# Altium PCB PCB.PcbDoc (part 2 of 2)
Units mm, origin at the board's own origin, x right, y up, seen from the top; angles counter-clockwise.
Board outline 50 x 63.5 mm, 2 copper layers (Top Layer, Bottom Layer), stack 1.509 mm thick; 102 components, 51 nets, 270 pads, 67 vias.
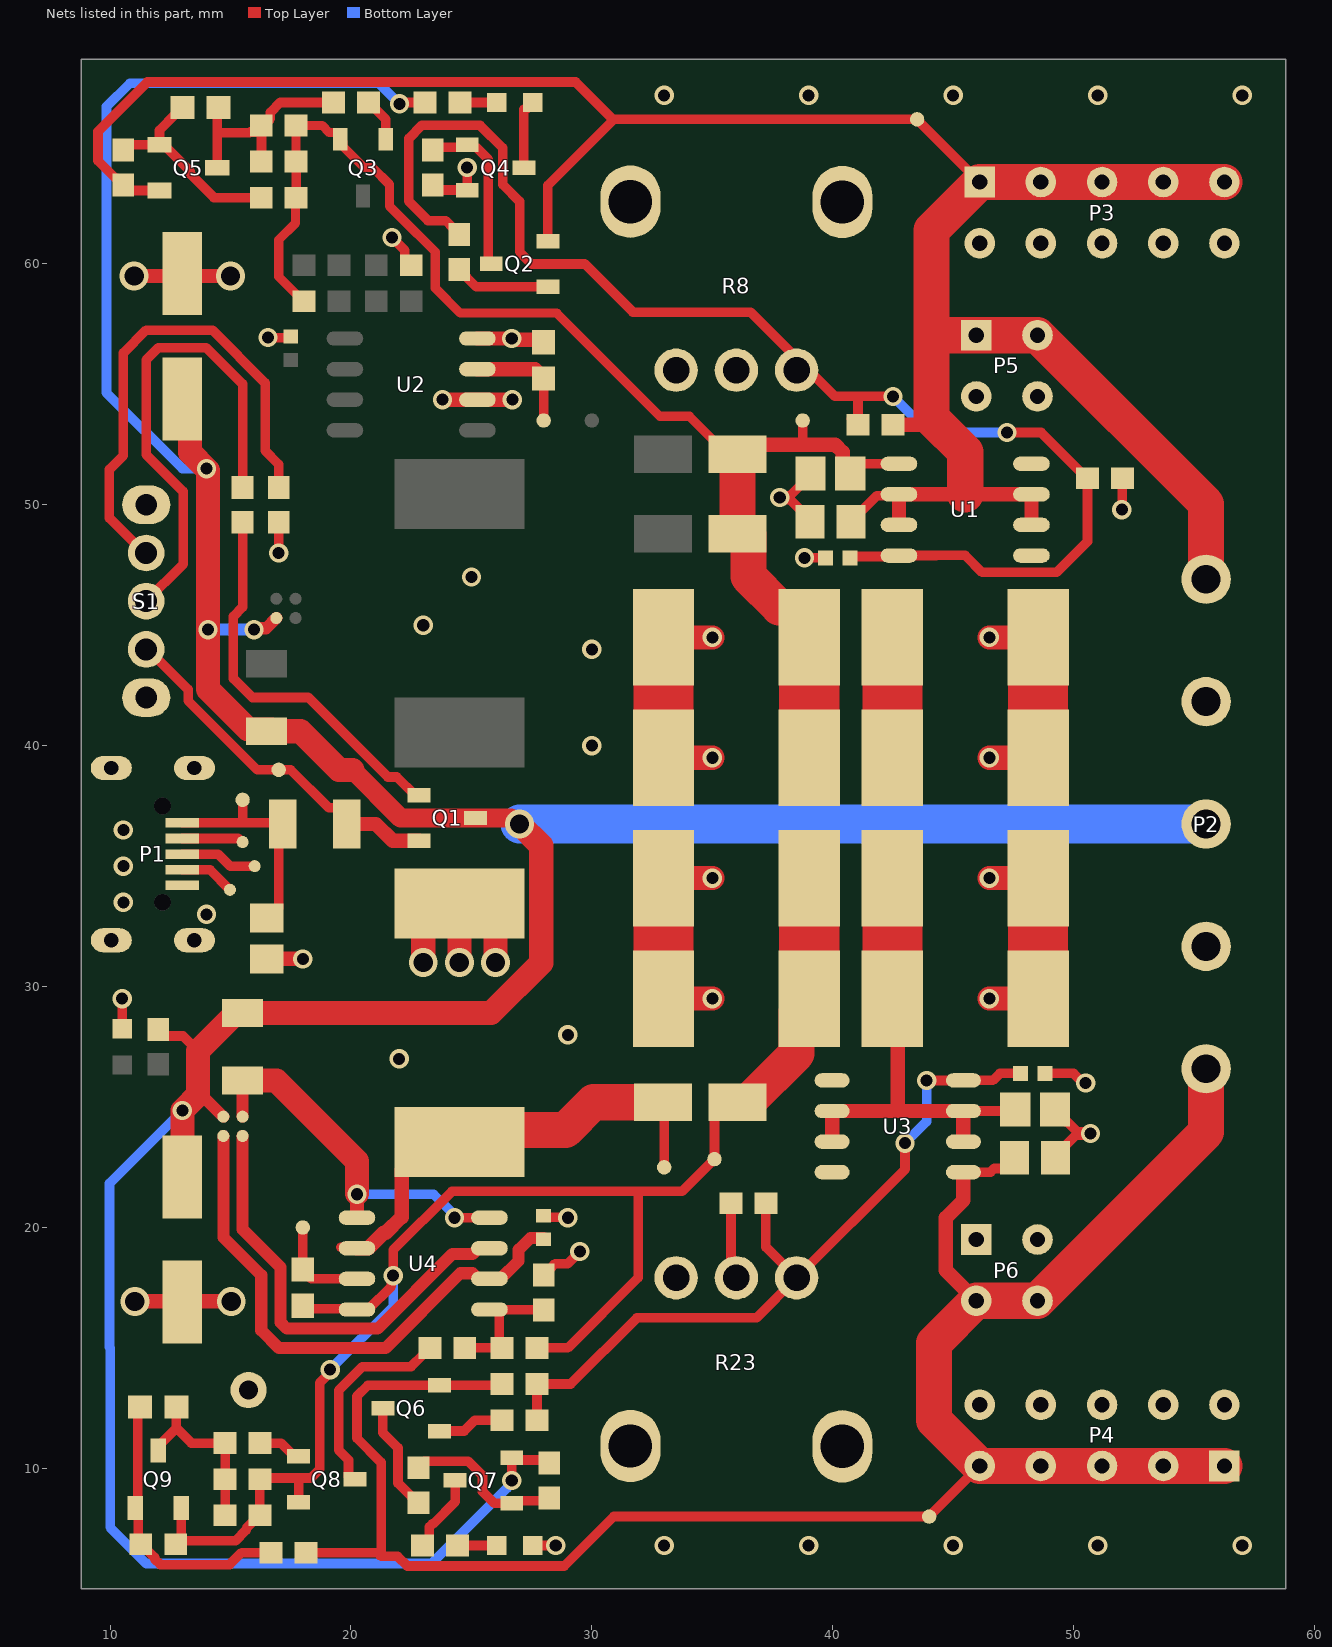
[diagram p2: the nets of this part, all layers, seen from the top]

## Via types
v1: diameter 0.8, hole 0.5, Top Layer to Bottom Layer, tented both sides, 59 vias
v2: diameter 1.2, hole 0.8, Top Layer to Bottom Layer, tented both sides, 8 vias

## Nets (pads, with @x,y where several pads share a name; then routed paths per layer and width w, separated by ;. In a path a pad name is that pad's centre, name@x,y a point inside that pad or via, vN(x,y) a via of type N, cw(c..) or ccw(c..) an arc to the next point about the centre after c; other vN are vias at no path point) (continued)
GND: C1.2 C2.2 C3.2 C4.2 C5.2 C7.2 C8.2 C9.2 C11.2 C12.2 C13.2 C14.2 C15.2 C16.2 C17.2 C19.2 C22.1 C23.1 C24.1 C25.1 D1.K D6.K L2.1 P1.5 P1.6 P2.2 P2.4 P3.2 P3.4 P3.6 P3.8 P3.10 P4.2 P4.4 P4.6 P4.8 P4.10 P5.3 P5.4 P6.1 P6.2 Q4.2 R8.1 R8.2 R8.4 R8.5 R11.2 R14.1 R15.2 R23.2 R23.3 R23.4 R23.5 R24.2 R29.2 R33.1 S1.EH TP11.1 U2.2 U2.4 | length 86.5
  Top Layer w0.4: D1.K@10.5,28.25 v1(10.5,29.5) ; v1(16.554,56.946) 16.557,56.943 17.497,56.943 C8.2@17.5,56.94 ; v1(17,48) R33.1@17,49.275 ; v1(21.7,61.1) 22.23,60.57 22.23,60.2 22.48,59.95 R15.2@22.5,59.95 ; R14.1@23.4,63.275 23.606,63.069 24.806,63.069 24.825,63.089 v1(24.825,64) ; D6.K@27.55,6.8 v1(28.5,6.8) ; R29.2@28,18.025 28,18.05 28.25,18.3 28.275,18.3 28.475,18.5 29,18.5 v1(29.5,19) ; C17.2@28,20.44 28.018,20.422 28.982,20.422 v1(29,20.405) ; R24.2@35.775,21 35.775,18.138 R23.2@36,17.913 ; v1(38.83,47.8) C7.2@39.71,47.8 ; C5.2@39.05,49.2 C5.2@39.05,49.3 39.05,49.4 38.227,50.223 37.877,50.223 v1(37.8,50.3) 37.877,50.377 38.227,50.377 39.075,51.225 C4.2@39.075,51.3 ; C19.2@48.79,26.4 49.992,26.4 50.392,26 v1(50.5,26) ; C16.2@49.225,24.9 49.225,24.825 49.65,24.4 49.725,24.4 50.148,23.977 50.623,23.977 v1(50.7,23.9) 50.623,23.823 50.073,23.823 49.25,23 C15.2@49.25,22.9 ; v1(52,49.8) 52.012,49.812 52.012,51.088 R11.2@52.025,51.1
  Top Layer w0.6: v2(11,59.5) 12.941,59.5 C3.2@13.001,59.44 ; v2(11.029,16.93) C2.2@12.97,16.93 ; C3.2@13,59.6 13.1,59.5 v2(15,59.5) ; C2.2@13.129,16.93 v2(15.029,16.93) ; C1.2@16.5,31.15 v1(18,31.15) ; v1(23.8,54.365) U2.2@25.25,54.365 v1(26.7,54.365) ; U2.4@25.25,56.905 26.67,56.905 26.713,56.862 27.888,56.862 C9.2@28,56.75
  Top Layer w1: v2(23,31) 23,32.5 23.95,33.45 L2.1@24.5,33.45 ; v2(24.5,31) L2.1@24.5,33.45 ; v2(26,31) 26,32.5 25.05,33.45 L2.1@24.5,33.45 ; C25.1@32.975,29.5 v1(35,29.5) ; C24.1@32.975,34.5 v1(35,34.5) ; C11.2@32.975,39.5 v1(35,39.5) ; C12.2@32.975,44.5 v1(35,44.5) ; v1(46.5,29.5) C22.1@48.525,29.5 ; v1(46.5,34.5) C23.1@48.525,34.5 ; v1(46.5,39.5) C14.2@48.525,39.5 ; v1(46.5,44.5) C13.2@48.525,44.5
  Top Layer w2.5: C25.1@32.975,29.5 C24.1@32.975,34.5 ; C11.2@32.975,39.5 C12.2@32.975,44.5 ; C22.1@48.525,29.5 C23.1@48.525,34.5 ; C14.2@48.525,39.5 C13.2@48.525,44.5
  other v1: 33,6.8 39,6.8 45,6.8 51,6.8 57,6.8 22,27 29,28 14,33 10.55,33.5 10.55,35 10.55,36.5 30,40 30,44 23,45 25,47 26.675,56.9 33,67 39,67 45,67 51,67 57,67
INV_FB: R28.1 R29.1 R31.2 U4.5 | length 5.4
  Top Layer w0.4: R31.2@24.725,15 R28.1@26.275,15 26.149,15.126 26.149,16.547 26.101,16.595 U4.5@25.75,16.595 ; U4.5@26.149,16.585 27.99,16.585 R29.1@28,16.575
INV_SENCE: R20.1 U4.1 U4.8 XW3.2 | length 15.9
  Top Layer w0.4: v1(24.3,20.405) U4.8@25.75,20.405
  Top Layer w0.5: XW3.2@15.5,24.6 R20.1@15.5,26.1
  Top Layer w0.6: U4.1@20.25,20.405 v1(20.25,21.38) v1@20.25,21.405
  Top Layer w1: R20.1@15.5,26.1 16.9,26.1 20.25,22.75 v1@20.25,21.405
  Bottom Layer w0.4: v1(20.25,21.38) 23.43,21.38 24.3,20.51 v1(24.3,20.405)
INV_SWITCH: D5.1 L2.2 TP9.1 U4.2 | length 19.8
  Top Layer w0.4: U4.2@19.577,19.173 20.212,19.173 U4.2@20.25,19.135 ; D5.1@32.95,25.2 33,25.15 TP9.1@33,22.5
  Top Layer w0.6: U4.2@20.25,19.135 20.71,19.135 21.36,19.785 21.45,19.785 22.1,20.434 22.1,22.4 23.25,23.55 L2.2@24.5,23.55
  Top Layer w1.5: L2.2@24.5,23.55 25,24.05 28.912,24.05 30.062,25.2 D5.1@32.95,25.2
INV_VCC_N: U4.7 XW3.1 | length 18.6
  Top Layer w0.5: XW3.1@15.5,23.8 15.5,19.925 17.075,18.35 17.075,16.064 17.339,15.8 19.5,15.8 21.109,15.8 24.209,18.9 25.05,18.9 25.285,19.135 U4.7@25.75,19.135
INV_VCC_P: C17.1 U4.6 XW4.1 | length 23.1
  Top Layer w0.5: XW4.1@14.7,23.8 14.7,19.593 16.275,18.018 16.275,15.732 17.007,15 19.169,15 21.44,15 24.54,18.1 25.05,18.1 25.285,17.865 U4.6@25.75,17.865 26.21,17.865 26.96,18.615 26.96,19.075 27.445,19.56 C17.1@28,19.56
LM317_NC_1: U1.5
LM317_NC_2: U1.8
LM337_NC_1: U3.5
LM337_NC_2: U3.8
NetC6_2: C6.2 C10.2 Q5.3 R10.2 R12.1 | length 9.5
  Top Layer w0.4: Q5.3@14.45,64 14.45,65.45 ; C10.2@14.5,66.5 14.45,66.45 14.45,65.625 14.45,65.45 ; R10.2@16.275,64.25 16.288,64.262 16.288,65.737 16.363,65.737 16.65,66.025 16.65,66.291 17.059,66.7 R12.1@19.275,66.7 ; C6.2@16.3,65.75 16.025,65.475 15.814,65.475 15.789,65.45 14.45,65.45
NetC9_1: C9.1 TP6.1 U2.3 | length 4.7
  Top Layer w0.4: TP6.1@28,53.5 C9.1@28,55.25
  Top Layer w0.6: U2.3@25.25,55.635 27.64,55.635 28,55.275 C9.1@28,55.25
NetC10_1: C10.1 Q5.1 R9.2 R16.1 | length 8.9
  Top Layer w0.4: Q5.1@12.225,64.95 13.33,63.845 13.33,63.73 14.309,62.75 R9.2@16.275,62.75 ; C10.1@13,66.5 12.975,66.5 12.7,66.225 12.7,66.2 12.05,65.55 Q5.1@12.05,64.95 R16.1@10.775,64.95 ; R16.1@10.775,64.95 R16.1@10.55,64.725 R16.1@10.775,64.95
NetC18_1: C18.1 TP10.1 U4.3 | length 4.2
  Top Layer w0.4: TP10.1@18,20 C18.1@18,18.25 18,18.225 18.36,17.865 U4.3@20.25,17.865
NetC20_2: C20.2 C21.2 Q9.3 R26.2 R30.1 | length 7.4
  Top Layer w0.4: Q9.3@12,10.75 12,10.925 12.125,11.05 12.129,11.05 12.752,11.673 ; C21.2@12.75,12.55 12.75,11.675 13.375,11.05 R30.1@14.775,11.05 ; R26.2@14.775,8.05 14.788,8.063 14.788,9.537 14.8,9.55 14.788,9.563 14.788,11.037 R30.1@14.8,11.05
NetC21_1: C21.1 Q9.1 R25.2 R32.1 | length 12
  Top Layer w0.4: C21.1@11.25,12.55 11.15,12.45 11.15,8.45 Q9.1@11.05,8.35 11.163,8.238 11.163,7.1 11.137,7.075 11.05,7.075 R32.1@11.275,6.85 ; R32.1@11.288,6.863 11.85,6.3 11.85,6.234 12.084,6 14.961,6 15.461,6.5 R25.2@16.675,6.5
NetD4_A: D4.A R6.1 | length 1.5
  Top Layer w0.4: R6.1@24.525,66.7 D4.A@26.05,66.7
NetD4_K: D4.K Q4.3 | length 2.9
  Top Layer w0.4: Q4.3@27.175,64 27.175,66.425 27.275,66.425 D4.K@27.55,66.7
NetD6_A: D6.A R27.2 | length 1.6
  Top Layer w0.4: R27.2@24.425,6.8 D6.A@26.05,6.8
NetQ2_1: Q2.1 R5.2 | length 4
  Top Layer w0.4: R5.2@24.5,59.775 24.5,59.75 25.2,59.05 Q2.1@28.175,59.05
NetQ2_3: Q2.3 Q4.1 R14.2 | length 7
  Top Layer w0.4: R14.2@23.4,64.725 23.525,64.85 24.725,64.85 Q4.1@24.825,64.95 24.925,64.85 25.183,64.85 25.7,64.333 25.7,60.1 25.8,60 Q2.3@25.825,60
NetQ3_1: Q3.1 R12.2 | length 1.8
  Top Layer w0.4: R12.2@20.725,66.7 20.75,66.7 21.45,66 Q3.1@21.45,65.175
NetQ6_1: Q6.1 R19.2 | length 2.8
  Top Layer w0.4: Q6.1@23.675,11.55 24.7,11.55 25.15,12 R19.2@26.275,12
NetQ6_3: Q6.3 R21.1 | length 4.6
  Top Layer w0.4: Q6.3@21.325,12.5 21.325,12.4 21.325,11.475 21.95,10.85 21.95,9.384 22.484,8.85 22.55,8.85 22.8,8.6 R21.1@22.8,8.575
NetQ7_1: Q7.1 R21.2 R22.1 | length 6.8
  Top Layer w0.4: R21.2@22.8,10.025 22.8,10.05 23.05,10.3 24.866,10.3 25.458,9.708 25.458,9.042 25.95,8.55 26.775,8.55 26.875,8.65 28.1,8.65 R22.1@28.225,8.775
NetQ7_3: Q7.3 R27.1 | length 3.3
  Top Layer w0.4: R27.1@22.975,6.8 23,6.8 23.25,7.05 23.25,7.564 23.386,7.7 23.416,7.7 24.325,8.609 Q7.3@24.325,9.5
NetQ8_1: Q8.1 R30.2 | length 1.8
  Top Layer w0.4: R30.2@16.225,11.05 17.1,11.05 17.65,10.5 Q8.1@17.825,10.5
NetQ8_3: Q8.3 R31.1 | length 8.6
  Top Layer w0.4: Q8.3@20.175,9.55 20,9.55 19.9,9.65 19.9,10.35 19.5,10.75 19.5,13.25 20.475,14.225 22.5,14.225 23,14.725 23,14.75 23.25,15 R31.1@23.275,15
NetR33_2: R33.2 S1.1 | length 21
  Top Layer w0.4: S1.1@11.5,48 11.419,48 9.97,49.449 9.97,51.47 10.55,52.05 10.55,56.3 11.5,57.25 14.25,57.25 16.438,55.062 16.438,52.246 17,51.684 R33.2@17,50.725
NREG_ADJ: C19.1 R18.2 R19.1 R23.1 R24.1 U3.4 | length 32.2
  Top Layer w0.4: R19.1@27.725,12 R18.2@27.725,13.5 29.118,13.5 31.868,16.25 36.837,16.25 R23.1@38.5,17.913 ; R24.1@37.225,21 37.225,19.188 R23.1@38.5,17.913 ; v1(43,23.5) 43,22.413 R23.1@38.5,17.913 ; v1(43.9,26.1) 43.903,26.103 45.423,26.103 U3.4@45.425,26.105 46.645,26.105 46.94,26.4 C19.1@47.81,26.4
  Bottom Layer w0.4: v1(43,23.5) 43.9,24.4 v1(43.9,26.1)
PN_VREG_S0: C15.1 P2.5 P4.1 P4.3 P4.5 P4.7 P4.9 P6.3 P6.4 Q6.2 R18.1 R25.1 TP8.1 U3.1 | length 85.4
  Top Layer w0.4: R25.1@18.125,6.5 21.1,6.5 21.25,6.35 ; R18.1@26.275,13.5 26.225,13.45 Q6.2@23.675,13.45 20.7,13.45 20.25,13 20.25,11.25 21.25,10.25 21.25,6.5 21.25,6.35 ; U3.1@45.425,22.295 46.547,22.295 46.7,22.448 47.15,22.448 47.55,22.848 C15.1@47.55,22.9 ; P4.9@46.1,10.1 TP8.1@44,8 30.908,8 28.854,5.946 22.338,5.946 21.934,6.35 21.25,6.35 ; P4.1@56.25,10.09 P4.1@56.26,10.1
  Top Layer w0.6: U3.1@45.425,22.295 45.425,21.126 44.695,20.396 44.695,18.225 P6.3@45.96,16.96
  Top Layer w1.5: P2.5@55.5,26.59 55.5,23.96 P6.4@48.5,16.96 P6.3@45.96,16.96 44.2,15.2 44.2,12 P4.9@46.1,10.1 P4.7@48.64,10.1 P4.5@51.18,10.1 P4.3@53.72,10.1 P4.1@56.26,10.1
PN_VTRACK_S0: C16.1 C18.2 C20.1 C22.2 C23.2 C24.2 C25.2 D5.2 Q8.2 Q9.2 R26.1 R28.2 R32.2 TP7.1 U3.2 U3.3 U3.6 U3.7 U4.4 | length 83.1
  Top Layer w0.4: R32.2@12.725,6.85 R32.2@12.868,6.993 ; Q9.2@12.95,8.35 12.95,7.075 R32.2@12.868,6.993 ; Q8.2@17.825,8.6 17.825,9.6 ; C18.2@18,16.75 18.117,16.633 20.212,16.633 U4.4@20.25,16.595 20.71,16.595 21.673,17.558 21.673,17.923 v1(21.75,18) 21.75,19.063 24.187,21.5 31.925,21.5 ; v1(19.138,14.096) 19.138,13.988 18.7,13.55 18.7,9.961 18.339,9.6 17.825,9.6 ; R28.2@27.725,15 29,15 31.925,17.925 31.925,21.5 ; D5.2@36.05,25.2 35.665,25.2 35.09,24.625 TP7.1@35.09,22.84 33.75,21.5 31.925,21.5 ; U3.3@45.425,24.835 47.51,24.835 C16.1@47.575,24.9 ; R32.2@12.868,6.993 15.209,6.993 15.65,7.434 15.65,7.5 16.2,8.05 R26.1@16.225,8.05 16.213,8.063 16.213,9.538 16.275,9.6 17.825,9.6
  Top Layer w0.6: U3.7@39.975,23.565 U3.6@39.975,24.835 42.7,24.835 ; C22.2@42.475,29.5 42.7,29.275 42.7,24.835 ; U3.2@45.425,23.565 U3.3@45.425,24.835 42.7,24.835
  Top Layer w1.5: D5.2@36.05,25.2 36.475,25.2 38.5,27.225 38.5,28.975 C25.2@39.025,29.5
  Top Layer w2.5: C25.2@39.025,29.5 C24.2@39.025,34.5 ; C22.2@42.475,29.5 C23.2@42.475,34.5
  Bottom Layer w0.4: v1(19.138,14.096) 21.75,16.708 v1(21.75,18)
PP5V0_G3H_FUSE: F1.2 Q1.2 S1.3 TP2.1 | length 15.1
  Top Layer w0.4: S1.3@11.5,44 11.581,44 13.242,42.339 13.242,41.867 16.109,39 17.5,39 19.073,37.427 19.462,37.427 19.834,37.055 F1.2@19.834,36.75
  Top Layer w0.6: F1.2@19.834,36.75 21.028,36.75 21.728,36.05 Q1.2@22.825,36.05
PP5V0_G3H_USB: C1.1 F1.1 P1.1 TP1.1 | length 9.4
  Top Layer w0.4: P1.1@13,36.8 15.5,36.8 ; TP1.1@15.5,37.75 15.5,36.8 ; C1.1@16.5,32.85 16.6,32.85 17,33.25 17,36.583 F1.1@17.167,36.75 17.117,36.8 15.5,36.8
PP5V0_S0: C2.1 C3.1 P2.3 Q1.3 Q7.2 R1.1 R6.2 R7.2 R20.2 R22.2 XW2.2 XW4.2 | length 161.9
  Top Layer w0.4: R1.1@12,28.225 12,28.2 12.25,27.95 13.025,27.95 13.65,27.325 ; XW4.2@14.673,24.6 XW4.2@14.7,24.6 ; R20.2@15.462,28.863 R20.2@15.5,28.9 ; v1(22.012,66.646) 22.012,66.7 R6.2@23.075,66.7 ; v1(26.675,9.5) Q7.2@26.675,10.45 26.775,10.45 26.875,10.35 28.1,10.35 R22.2@28.225,10.225
  Top Layer w0.5: 13.65,25.51 13.79,25.51 XW4.2@14.7,24.6 ; v1(15.973,44.819) 16.031,44.877 16.477,44.877 XW2.2@16.9,45.3
  Top Layer w0.8: 20.061,39 22.061,37 Q1.3@25.175,37 26.642,37 26.892,36.75 v2(27,36.75)
  Top Layer w1: C2.1@13,22.1 v1(13,24.86) 13.65,25.51 13.65,27.325 15.187,28.863 R20.2@15.462,28.863 ; C3.1@13,54.4 13.325,54.075 13.325,52.175 14.069,51.431 14.069,42.343 15.737,40.675 16.7,40.675 R7.2@16.85,40.525 ; R20.2@15.5,28.9 25.815,28.9 27.9,30.985 27.9,35.85 v2(27,36.75) ; R7.2@16.5,40.6 17.9,40.6 19.5,39 20.061,39
  Bottom Layer w0.4: v1(13,24.86) 9.975,21.835 9.975,15.025 10,15 10,7.55 11.5,6.05 23.35,6.05 26.482,9.182 26.482,9.199 26.675,9.392 v1(26.675,9.5) ; v1(14,51.5) 13,51.5 9.85,54.65 9.85,66.533 10.817,67.5 21.158,67.5 v1(22.012,66.646)
  Bottom Layer w0.5: v1(14.069,44.819) v1(15.973,44.819)
  Bottom Layer w1.6: v2(27,36.75) P2.3@55.5,36.75
PP_VREG_S0: C5.1 P2.1 P3.1 P3.3 P3.5 P3.7 P3.9 P5.1 P5.2 Q2.2 Q5.2 R3.1 R16.2 TP5.1 U1.2 U1.3 U1.6 U1.7 | length 104
  Top Layer w0.4: Q5.2@12.05,63.05 10.775,63.05 R16.2@10.55,63.275 10.55,63.3 10.3,63.55 10.234,63.55 9.5,64.284 9.5,65.5 11.55,67.55 25.166,67.55 29.325,67.55 30.875,66 TP5.1@43.5,66 P3.1@46.1,63.4 ; Q2.2@28.175,60.95 28.175,63.266 30.909,66 ; C5.1@40.75,49.3 40.75,49.4 41.15,49.8 41.25,49.8 41.82,50.37 42.083,50.37 42.11,50.397 42.712,50.397 U1.2@42.75,50.435 ; P3.9@56.25,63.5 P3.9@56.25,63.581
  Top Layer w0.6: R3.1@42.5,53.32 43.82,53.32 44.1,53.6 ; U1.3@42.75,49.165 U1.2@42.75,50.435 45.5,50.435 U1.7@48.25,50.435 U1.6@48.25,49.165
  Top Layer w1.5: 45.5,50.435 45.5,52.2 44.1,53.6 44.1,57 ; P2.1@55.5,46.91 55.5,50.04 P5.2@48.5,57.04 P5.1@45.96,57.04 44.14,57.04 44.1,57 ; P3.9@56.26,63.4 P3.7@53.72,63.4 P3.5@51.18,63.4 P3.3@48.64,63.4 P3.1@46.1,63.4 44.1,61.4 44.1,57
PP_VTRACK_S0: C4.1 C6.1 C11.1 C12.1 C13.1 C14.1 D2.1 D3.1 Q3.2 R9.1 R10.1 R13.2 TP4.1 U1.1 | length 61.6
  Top Layer w0.381: R13.2@18.05,58.45 18.025,58.45 17,59.475 17,61 17.7,61.7 17.7,62.725 R9.1@17.725,62.75 R10.1@17.725,64.25 17.713,64.262 17.713,65.737 17.7,65.75 18.8,65.75 19.1,65.45 19.441,65.45 19.55,65.341 Q3.2@19.55,65.175 19.66,65.066 19.66,64.891 20.55,64 20.9,64 21.6,63.3 21.6,62.4 22.055,61.945 23.5,60.5 23.5,59 24.541,57.96 28.54,57.96 32.824,53.676 34.049,53.676 35.625,52.1 D3.1@36.05,52.1
  Top Layer w0.4: 38.75,52.5 TP4.1@38.75,53.5 ; C4.1@40.725,51.3 41.13,51.705 U1.1@42.75,51.705
  Top Layer w0.6: D3.1@36.05,52.1 36.45,52.5 38.75,52.5 40.1,52.5 40.407,52.193 40.407,51.618 C4.1@40.725,51.3
  Top Layer w1.5: D2.1@36.05,48.8 D3.1@36.05,52.1 ; D2.1@36.475,48.8 36.5,48.775 36.5,47.025 37.775,45.75 38.5,45.75 39.025,45.225 C12.1@39.025,44.5
  Top Layer w2.5: C11.1@39.025,39.5 C12.1@39.025,44.5 ; C14.1@42.475,39.5 C13.1@42.475,44.5
PREG_ADJ: C7.1 R3.2 R5.1 R8.3 R11.1 U1.4 | length 56.8
  Top Layer w0.4: R5.1@24.5,61.225 24.5,61.25 24.25,61.5 24.234,61.5 23.934,61.8 23.2,61.8 22.4,62.6 22.4,65.216 22.934,65.75 25.366,65.75 26.3,64.816 26.3,63.3 27,62.6 27,60.5 27.5,60 29.71,60 31.71,58 36.587,58 38.5,56.087 40.087,54.5 41,54.5 ; C7.1@40.69,47.8 40.747,47.857 42.712,47.857 42.753,47.897 44.297,47.897 44.3,47.9 45.5,47.9 46.205,47.195 49.295,47.195 50.575,48.475 R11.1@50.575,51.1 50.55,51.1 48.65,53 v1(47.23,53) ; R3.2@40.775,53.57 41.025,53.32 R3.2@41.05,53.32 41.05,54.45 41,54.5 ; v1(42.5,54.5) 41,54.5
  Bottom Layer w0.4: v1(42.5,54.5) 44,53 v1(47.23,53)
SW_G: Q1.1 R2.2 | length 16.4
  Top Layer w0.4: R2.2@15.5,49.275 15.5,45.75 15.119,45.369 15.119,42.79 15.909,42 18.231,42 21.531,38.7 21.9,38.7 22.65,37.95 Q1.1@22.825,37.95
SW_T: R2.1 S1.2 | length 20.4
  Top Layer w0.4: S1.2@11.5,46 13.03,47.53 13.03,50.551 11.5,52.081 11.5,56.016 12.009,56.525 13.991,56.525 15.5,55.016 R2.1@15.5,50.725
USB_DN: P1.2 pad.@15.5,36 | length 2.6
  Top Layer w0.4: P1.2@13,36.15 15.323,36.15 15.473,36 pad.@15.5,36
USB_DP: P1.3 pad.@16,35 | length 3.2
  Top Layer w0.4: P1.3@13,35.5 14.486,35.5 14.986,35 pad.@16,35
USB_ID: P1.4 pad.@14.976,34.019 | length 2.3
  Top Layer w0.4: P1.4@13,34.85 14.145,34.85 pad.@14.976,34.019
pads on no net: P1.

## Polygon pours and split planes (outlines as drawn)
GND on Top Layer "NoTR" (solid, pour order 4): 15,40.5 15,30.5 9.2,30.5 9.2,40.5
GND on Top Layer "GND_L01_P003" (solid, remove dead copper, pour order 3): 8.8,5 8.8,68.5 58.8,68.5 58.8,5
PN_VTRACK_S0 on Top Layer "NoTR" (solid, pour order 1): 39.8,36.3 41.6,36.3 41.6,27.7 39.8,27.7
PP_VTRACK_S0 on Top Layer "NoTR" (solid, pour order 0): 39.8,46.3 41.6,46.3 41.6,37.7 39.8,37.7
GND on Bottom Layer "Bottom GND" (solid, remove dead copper, pour order 2): 8.8,5 8.8,68.5 58.8,68.5 58.8,5

## Other copper
Bottom Layer:
  pour cut-out: 27.7,37.96 18.46,37.96 ccw(c18.46,37) 17.5,37 17.5,36.5 ccw(c18.46,36.5) 18.46,35.54 27.7,35.54
  pour cut-out: 29.5,5 29.5,17.25 37.75,25.5 48.5,25.5 51,28 51,34.5 51.5,34.5 51.5,28 48.5,25 38,25 30,17 30,5
  pour cut-out: 27.5,68.5 27.5,56.75 36.25,48 47,48 51,44 51,39 51.5,39 51.5,44 47,48.5 36.5,48.5 28,57 28,68.5
  pour cut-out: 54,37.96 59,37.96 59,35.54 54,35.54

## Silkscreen, mask and mechanical layers (free items; w line width, h text height)
Top Overlay:
  lines w0.2: 14,47.5 14.5,48 ; 14.5,45.5 14.5,48 ; 15,47.5 14.5,48
  text "VCCP" at 48.254,65.254 h1.52
  text "V" at 43.254,62.754 h1.52
  text "G" at 43.254,60.254 h1.52
  text "ON" at 15.152,46.848 h0.91 r270
  text "JLCJLCJLCJLC" at 52.25,32.25 h0.8 r90
  text "G" at 43.254,11.754 h1.52
  text "V" at 43.254,9.254 h1.52
  text "VCCN" at 48.254,6.254 h1.52
Bottom Overlay:
  lines w0.2: 39.5,30.5 49.5,30.5 ; 39.5,36.5 49.5,36.5 ; 39.5,42.5 49.5,42.5 ; 49.77,15.69 50.58,16.5 57.5,16.5 ; 49.77,58.31 50.83,57.25 56.75,57.25 57.5,57.25
  lines w0.254: 37,24 49.5,24 49.5,50 37,50 37,24
  text "VCCP" at 53.746,65.254 h1.52
  text "USB SPLIT RAIL PSU" at 25.542,60.992 h3.05 r90
  text "SIO2MKR" at 20.288,60.738 h4.57 r90
  text "GND" at 54.996,57.754 h1.52
  text "VCCP" at 56.746,55.254 h1.52
  text "GND" at 56.746,53.254 h1.52
  text "GITHUB.COM/LAWRENCESTANTON/" at 33.847,52.763 h1.22 r90
  text "LD STANTON" at 28.796,52.712 h1.52 r90
  text "APRIL 2021" at 30.796,52.712 h1.52 r90
  text "VCCP" at 58.297,49.797 h1.22 r90
  text "PARAM" at 40.797,49.297 h1.22 r90
  text "V USB" at 42.797,49.297 h1.22 r90
  text "P USB" at 44.797,49.297 h1.22 r90
  text "V REG" at 46.797,49.297 h1.22 r90
  text "I REG" at 48.797,49.297 h1.22 r90
  text "(C) LD STANTON 2021" at 52.797,47.797 h1.22 r90
  text "SPECIFICATIONS" at 38.797,45.797 h1.22 r90
  text "GND" at 58.297,43.297 h1.22 r90
  text "MIN" at 40.797,41.297 h1.22 r90
  text "4V6" at 42.797,41.297 h1.22 r90
  text "1V2" at 46.797,41.297 h1.22 r90
  text "5V" at 58.297,37.797 h1.22 r90
  text "NOM" at 40.797,35.297 h1.22 r90
  text "5V0" at 42.797,35.297 h1.22 r90
  text "5W" at 44.797,35.297 h1.22 r90
  text "GND" at 58.297,33.297 h1.22 r90
  text "MAX" at 40.797,29.297 h1.22 r90
  text "10V5" at 46.797,29.297 h1.22 r90
  text "40mA" at 48.797,29.297 h1.22 r90
  text "VCCN" at 58.297,27.797 h1.22 r90
  text "V1.0" at 19.992,26.992 h3.05 r90
  text "GND" at 56.746,19.254 h1.52
  text "VCCN" at 56.746,17.254 h1.52
  text "GND" at 54.746,14.254 h1.52
  text "e" at 21.67,11.277 h7.62 r90
  text "o" at 19.092,10.994 h12.7 r90
  text "VCCN" at 53.746,6.254 h1.52
Mechanical 1:
  the board outline again, w0.1
Drill Drawing:
  circle w0.254: c71.484,26.671 r0.847
  lines w0.254: 70.637,14.394 71.484,14.817 72.331,14.394 71.907,15.241 72.331,16.087 71.484,15.664 70.637,16.087 71.061,15.241 70.637,14.394 ; 70.637,18.204 72.331,18.204 72.331,19.897 70.637,19.897 70.637,18.204 ; 70.637,22.437 71.061,22.437 71.061,22.014 71.907,22.014 71.907,22.437 72.331,22.437 72.331,23.284 71.907,23.284 71.907,23.707 71.061,23.707 71.061,23.284 70.637,23.284 70.637,22.437 ; 70.637,31.327 72.331,31.327 71.484,29.634 70.637,31.327 ; 70.637,33.867 71.061,33.867 71.484,33.444 71.907,33.867 72.331,33.867 71.907,34.291 72.331,34.714 71.907,34.714 71.484,35.137 71.061,34.714 70.637,34.714 71.061,34.291 70.637,33.867 ; 70.637,41.064 70.637,41.487 71.061,41.911 70.637,42.334 70.637,42.757 71.061,42.757 71.484,42.334 71.907,42.757 72.331,42.757 72.331,42.334 71.907,41.911 72.331,41.487 72.331,41.064 71.907,41.064 71.484,41.487 71.061,41.064 70.637,41.064 ; 70.637,45.721 71.484,44.874 72.331,45.721 71.484,46.567 70.637,45.721 ; 70.637,48.684 72.331,48.684 72.331,50.377 70.637,50.377 70.637,48.684 ; 70.976,49.023 71.992,49.023 71.992,50.039 70.976,50.039 70.976,49.023
  lines w0.381: 69.119,13.251 343.615,13.251 ; 69.119,51.351 343.615,51.351 ; 69.19,69.096 79.602,69.096 113.375,69.096 130.134,69.096 146.64,69.096 161.115,69.096 ; 69.19,72.144 79.602,72.144 113.375,72.144 130.134,72.144 146.64,72.144 161.115,72.144 ; 69.19,75.192 79.602,75.192 113.375,75.192 130.134,75.192 146.64,75.192 161.115,75.192 ; 69.19,78.24 79.602,78.24 113.375,78.24 130.134,78.24 146.64,78.24 161.115,78.24 ; 69.19,81.288 79.602,81.288 113.375,81.288 130.134,81.288 146.64,81.288 161.115,81.288 ; 69.19,84.336 79.602,84.336 113.375,84.336 130.134,84.336 146.64,84.336 161.115,84.336 ; 69.19,87.384 79.602,87.384 113.375,87.384 130.134,87.384 146.64,87.384 161.115,87.384 ; 69.19,90.432 79.602,90.432 113.375,90.432 130.134,90.432 146.64,90.432 161.115,90.432 ; 69.19,93.48 161.115,93.48 ; 79.602,96.528 79.602,66.048 ; 83.111,9.441 83.111,55.161 ; 98.093,9.441 98.093,55.161 ; 113.375,96.528 113.375,66.048 ; 126.533,9.441 126.533,55.161 ; 130.134,96.528 130.134,66.048 ; 139.382,9.441 139.382,55.161 ; 146.64,96.528 146.64,66.048 ; 158.021,9.441 158.021,55.161 ; 196.109,9.441 196.109,55.161 ; 211.091,9.441 211.091,55.161 ; 230.035,9.441 230.035,55.161 ; 274.725,9.441 274.725,55.161 ; 308.599,9.441 308.599,55.161 ; 79.602,66.048 69.19,66.048 69.19,96.528 161.115,96.528 161.115,66.048 146.64,66.048 ; 79.602,66.048 113.375,66.048 ; 113.375,66.048 130.134,66.048 ; 130.134,66.048 146.64,66.048 ; 69.119,9.441 343.615,9.441 343.615,55.161 69.119,55.161 69.119,9.441
  text "Layer" at 70.968,94.242 h1.52
  text "Name" at 81.38,94.242 h1.52
  text "Material" at 115.153,94.242 h1.52
  text "Thickness" at 131.912,94.242 h1.52
  text "Constant" at 148.418,94.242 h1.52
  text "Top Overlay" at 81.38,91.194 h1.52
  text "Top Solder" at 81.38,88.146 h1.52
  text "SM-001" at 115.153,88.146 h1.52
  text "0,025mm" at 131.912,88.146 h1.52
  text "4" at 148.418,88.146 h1.52
  text "Top Surface Finish" at 81.38,85.098 h1.52
  text "Lead-Free" at 115.153,85.098 h1.52
  text "0,020mm" at 131.912,85.098 h1.52
  text "1" at 70.968,82.05 h1.52
  text "Top Layer" at 81.38,82.05 h1.52
  text "CF-004" at 115.153,82.05 h1.52
  text "0,035mm" at 131.912,82.05 h1.52
  text "Dielectric 1" at 81.38,79.002 h1.52
  text "FR-4" at 115.153,79.002 h1.52
  text "1,439mm" at 131.912,79.002 h1.52
  text "4.5" at 148.418,79.002 h1.52
  text "2" at 70.968,75.954 h1.52
  text "Bottom Layer" at 81.38,75.954 h1.52
  text "CF-004" at 115.153,75.954 h1.52
  text "0,035mm" at 131.912,75.954 h1.52
  text "[MM]" at 1.652,74.152 h1.52
  text "Bottom Surface Finish" at 81.38,72.906 h1.52
  text "Lead-Free" at 115.153,72.906 h1.52
  text "0,020mm" at 131.912,72.906 h1.52
  text "Bottom Solder" at 81.38,69.858 h1.52
  text "SM-001" at 115.153,69.858 h1.52
  text "0,025mm" at 131.912,69.858 h1.52
  text "4" at 148.418,69.858 h1.52
  text "Bottom Overlay" at 81.38,66.81 h1.52
  text "Total board thickness:" at 70.968,63.762 h1.52
  text "1,600mm" at 131.912,63.762 h1.52
  text "Symbol" at 71.405,52.494 h1.83
  text "Count" at 84.254,52.494 h1.83
  text "Hole Size" at 99.236,52.494 h1.83
  text "Plated" at 127.676,52.494 h1.83
  text "Hole Type" at 140.525,52.494 h1.83
  text "Drill Layer Pair" at 159.164,52.494 h1.83
  text "Via/Pad" at 197.252,52.494 h1.83
  text "Pad Shape" at 212.234,52.494 h1.83
  text "Template" at 231.178,52.494 h1.83
  text "Hole Tolerance (+)" at 275.868,52.494 h1.83
  text "Hole Tolerance (-)" at 309.742,52.494 h1.83
  text "59" at 84.254,48.684 h1.52
  text "0,500mm (19,69mil)" at 99.236,48.684 h1.52
  text "PTH" at 127.676,48.684 h1.52
  text "Round" at 140.525,48.684 h1.52
  text "Top Layer - Bottom Layer" at 159.164,48.684 h1.52
  text "Via" at 197.252,48.684 h1.52
  text "Rounded" at 212.234,48.684 h1.52
  text "v80h50m0mx0(Tol13-8)" at 231.178,48.684 h1.52
  text "0,130mm (5,12mil)" at 275.868,48.684 h1.52
  text "0,080mm (3,15mil)" at 309.742,48.684 h1.52
  text "4" at 84.254,44.874 h1.52
  text "0,600mm (23,62mil)" at 99.236,44.874 h1.52
  text "PTH" at 127.676,44.874 h1.52
  text "Slot" at 140.525,44.874 h1.52
  text "Top Layer - Bottom Layer" at 159.164,44.874 h1.52
  text "Pad" at 197.252,44.874 h1.52
  text "Rounded" at 212.234,44.874 h1.52
  text "r100_170h60_130r100(Tol13-8)" at 231.178,44.874 h1.52
  text "0,130mm (5,12mil)" at 275.868,44.874 h1.52
  text "0,080mm (3,15mil)" at 309.742,44.874 h1.52
  text "28" at 84.254,41.064 h1.52
  text "0,635mm (25,00mil)" at 99.236,41.064 h1.52
  text "PTH" at 127.676,41.064 h1.52
  text "Round" at 140.525,41.064 h1.52
  text "Top Layer - Bottom Layer" at 159.164,41.064 h1.52
  text "Pad" at 197.252,41.064 h1.52
  text "(Mixed)" at 212.234,41.064 h1.52
  text "(Mixed)" at 231.178,41.064 h1.52
  text "0,130mm (5,12mil)" at 275.868,41.064 h1.52
  text "0,080mm (3,15mil)" at 309.742,41.064 h1.52
  text "2" at 84.254,37.254 h1.52
  text "0,700mm (27,56mil)" at 99.236,37.254 h1.52
  text "NPTH" at 127.676,37.254 h1.52
  text "Round" at 140.525,37.254 h1.52
  text "Top Layer - Bottom Layer" at 159.164,37.254 h1.52
  text "Pad" at 197.252,37.254 h1.52
  text "Rounded" at 212.234,37.254 h1.52
  text "c70hn70(Tol13-8)" at 231.178,37.254 h1.52
  text "0,130mm (5,12mil)" at 275.868,37.254 h1.52
  text "0,080mm (3,15mil)" at 309.742,37.254 h1.52
  text "E" at 70.666,37 h1.69
  text "9" at 84.254,33.444 h1.52
  text "0,800mm (31,50mil)" at 99.236,33.444 h1.52
  text "PTH" at 127.676,33.444 h1.52
  text "Round" at 140.525,33.444 h1.52
  text "Top Layer - Bottom Layer" at 159.164,33.444 h1.52
  text "(Mixed)" at 197.252,33.444 h1.52
  text "Rounded" at 212.234,33.444 h1.52
  text "(Mixed)" at 231.178,33.444 h1.52
  text "0,130mm (5,12mil)" at 275.868,33.444 h1.52
  text "0,080mm (3,15mil)" at 309.742,33.444 h1.52
  text "2" at 84.254,29.634 h1.52
  text "0,900mm (35,43mil)" at 99.236,29.634 h1.52
  text "PTH" at 127.676,29.634 h1.52
  text "Slot" at 140.525,29.634 h1.52
  text "Top Layer - Bottom Layer" at 159.164,29.634 h1.52
  text "Pad" at 197.252,29.634 h1.52
  text "Rounded" at 212.234,29.634 h1.52
  text "r160_200h90_140r100(Tol13-8)" at 231.178,29.634 h1.52
  text "0,130mm (5,12mil)" at 275.868,29.634 h1.52
  text "0,080mm (3,15mil)" at 309.742,29.634 h1.52
  text "3" at 84.254,25.824 h1.52
  text "0,914mm (36,00mil)" at 99.236,25.824 h1.52
  text "PTH" at 127.676,25.824 h1.52
  text "Round" at 140.525,25.824 h1.52
  text "Top Layer - Bottom Layer" at 159.164,25.824 h1.52
  text "Pad" at 197.252,25.824 h1.52
  text "Rounded" at 212.234,25.824 h1.52
  text "c152h91(Tol13-8)" at 231.178,25.824 h1.52
  text "0,130mm (5,12mil)" at 275.868,25.824 h1.52
  text "0,080mm (3,15mil)" at 309.742,25.824 h1.52
  text "6" at 84.254,22.014 h1.52
  text "1,100mm (43,31mil)" at 99.236,22.014 h1.52
  text "PTH" at 127.676,22.014 h1.52
  text "Round" at 140.525,22.014 h1.52
  text "Top Layer - Bottom Layer" at 159.164,22.014 h1.52
  text "Pad" at 197.252,22.014 h1.52
  text "Rounded" at 212.234,22.014 h1.52
  text "c180h110(Tol13-8)" at 231.178,22.014 h1.52
  text "0,130mm (5,12mil)" at 275.868,22.014 h1.52
  text "0,080mm (3,15mil)" at 309.742,22.014 h1.52
  text "5" at 84.254,18.204 h1.52
  text "1,200mm (47,24mil)" at 99.236,18.204 h1.52
  text "PTH" at 127.676,18.204 h1.52
  text "Round" at 140.525,18.204 h1.52
  text "Top Layer - Bottom Layer" at 159.164,18.204 h1.52
  text "Pad" at 197.252,18.204 h1.52
  text "Rounded" at 212.234,18.204 h1.52
  text "c205h120(Tol13-8)" at 231.178,18.204 h1.52
  text "0,130mm (5,12mil)" at 275.868,18.204 h1.52
  text "0,080mm (3,15mil)" at 309.742,18.204 h1.52
  text "4" at 84.254,14.394 h1.52
  text "1,800mm (70,87mil)" at 99.236,14.394 h1.52
  text "PTH" at 127.676,14.394 h1.52
  text "Slot" at 140.525,14.394 h1.52
  text "Top Layer - Bottom Layer" at 159.164,14.394 h1.52
  text "Pad" at 197.252,14.394 h1.52
  text "Rounded" at 212.234,14.394 h1.52
  text "r250_300h180_220r100(Tol13-8)" at 231.178,14.394 h1.52
  text "0,130mm (5,12mil)" at 275.868,14.394 h1.52
  text "0,080mm (3,15mil)" at 309.742,14.394 h1.52
  text "122 Total" at 84.254,10.584 h1.52
  text "Slot definitions :" at 71.405,6.902 h1.52
  text "Routed Path Length" at 97.635,6.902 h1.52
  text "= Calculated from tool start centre position to tool end centre position." at 125.643,6.902 h1.52
  text "Hole Length" at 97.635,4.362 h1.52
  text "= Routed Path Length + Tool Size = Slot length as defined in the PCB layout" at 115.232,4.362 h1.52

## Dimensions
8.8,5 to 8.8,68.5 on Drill Drawing
8.8,73.5 to 58.8,73.5 on Drill Drawing